# KiCad board Wireless Video Glass.kicad_pcb (continued)
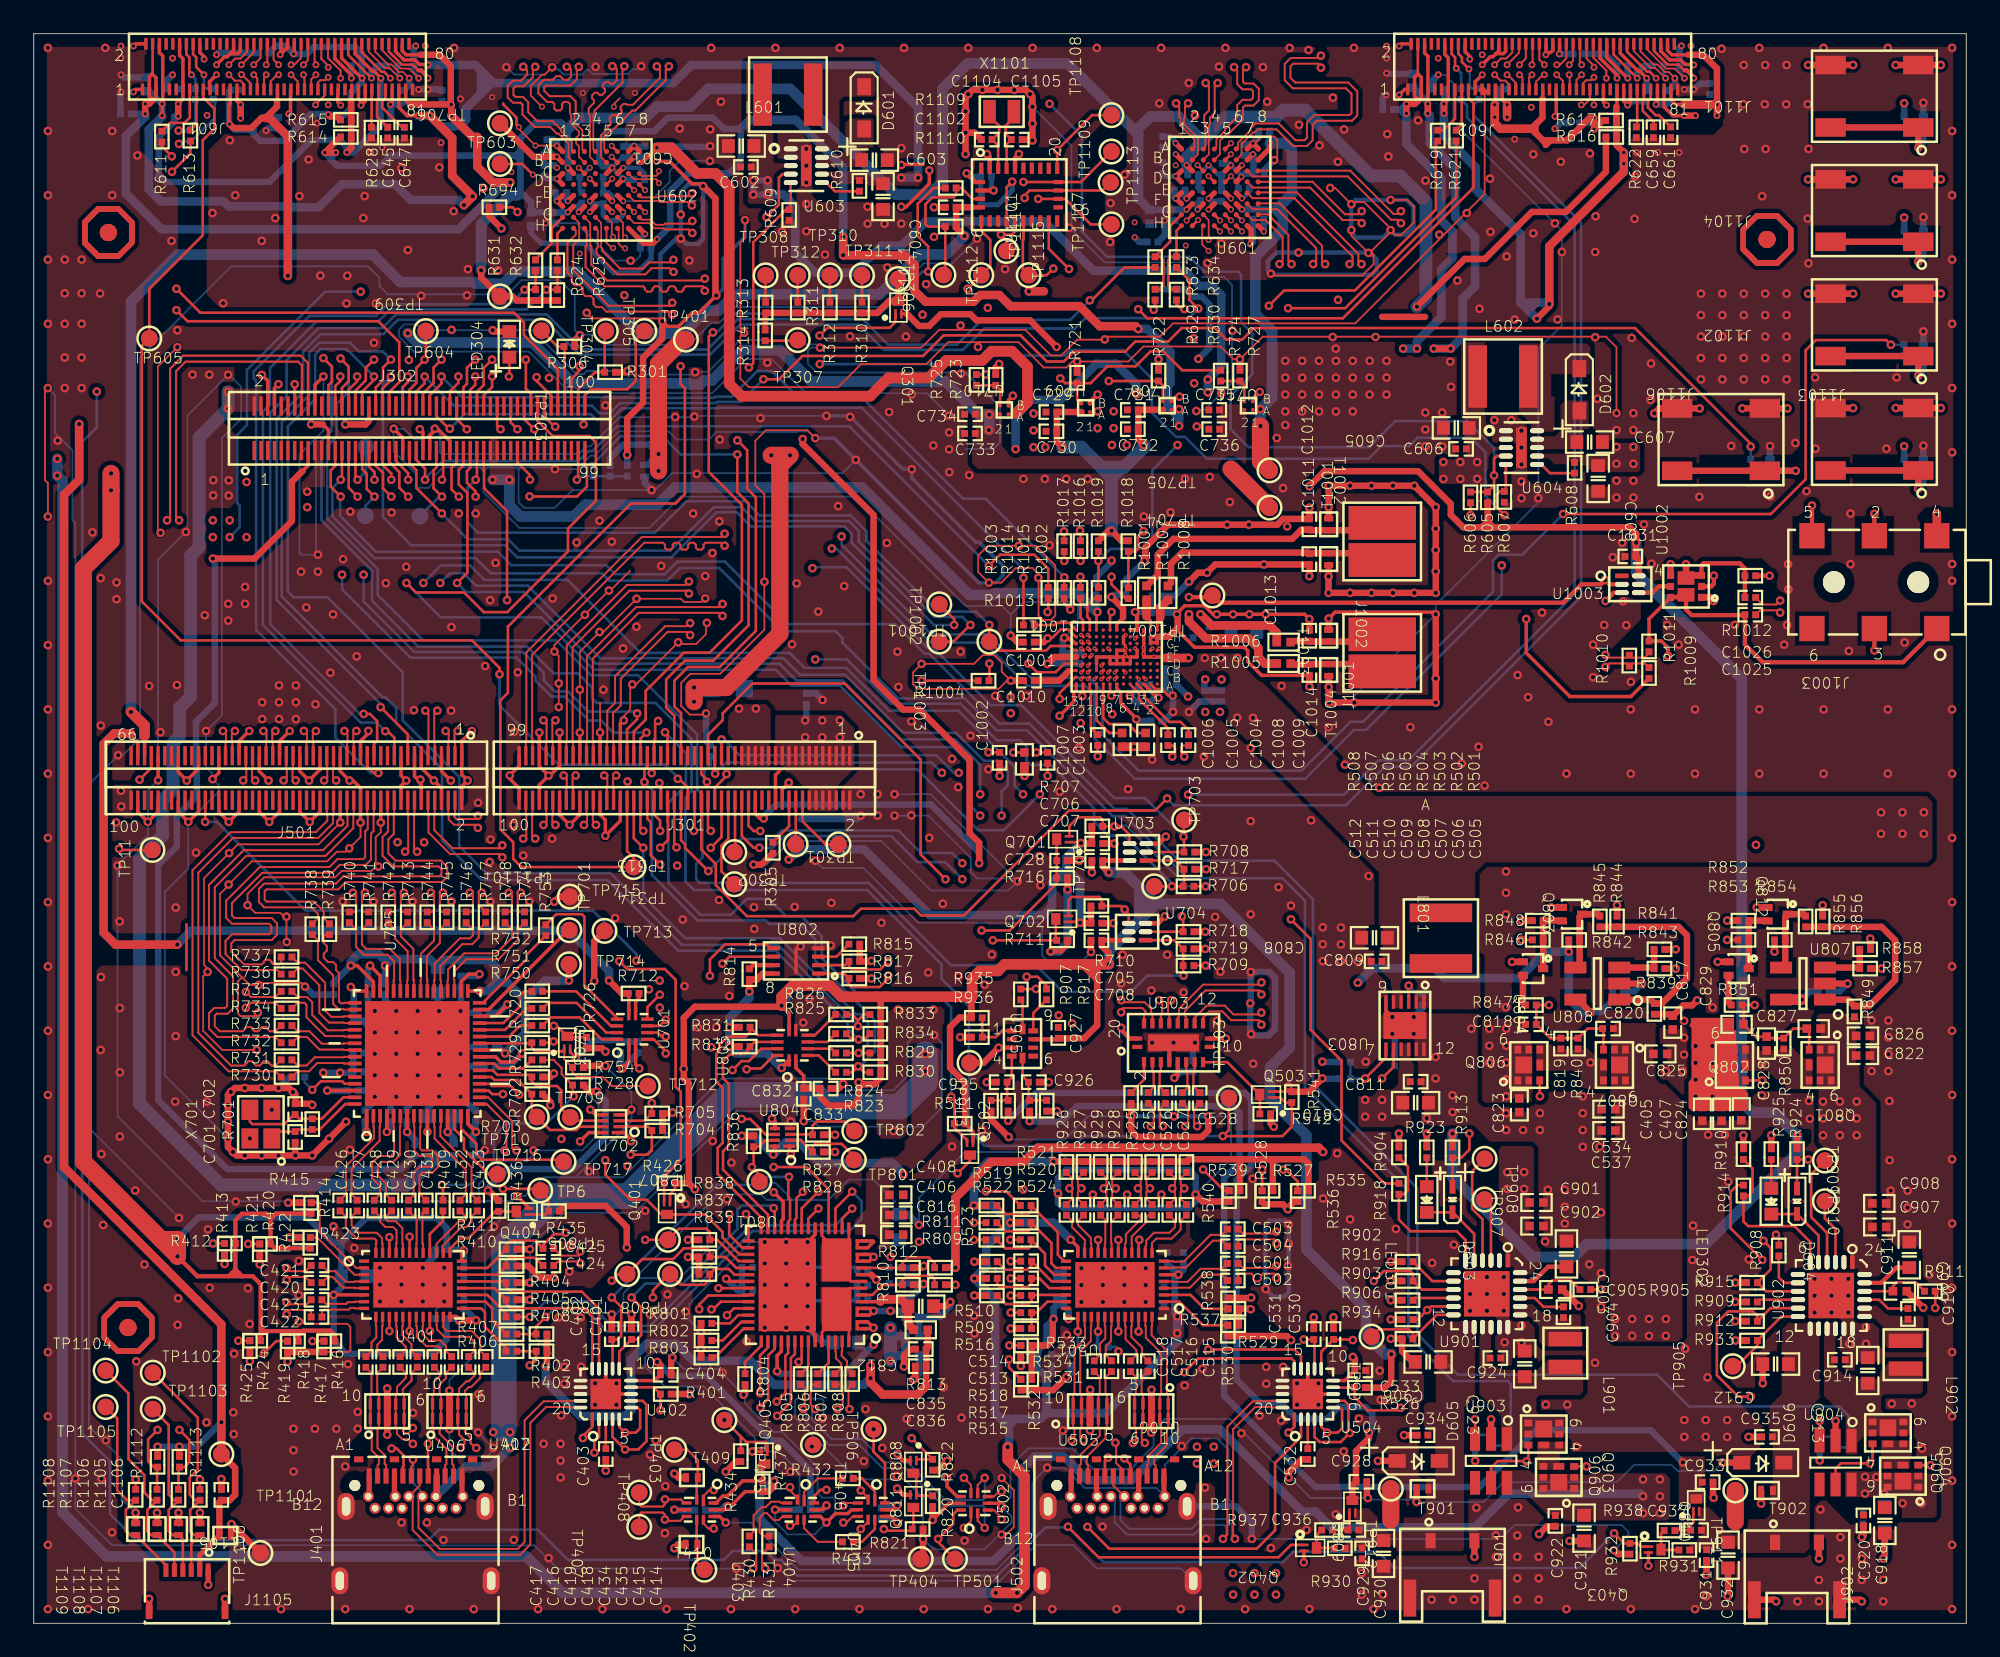
[diagram p0: board, top side]
## Routing (per net, layer and track width the routed paths; a pad name or vN(x,y) marks a point on that pad's centre or on a via; arc(x,y) is an arc through that point) (continued)
(no net): length 335.7
  TOP w0.305: 101.34,81.44 102.14,80.64 ; 101.34,81.44 101.34,82.64 ; 101.34,81.44 102.14,80.64 ; 101.34,81.44 101.34,82.64 ; 101.34,81.44 101.34,82.64 ; 101.34,81.44 101.34,82.64 ; 101.34,81.44 102.14,80.64 ; 101.34,81.44 101.34,82.64 ; 101.34,81.44 102.14,80.64 ; 101.34,81.44 101.34,82.64 ; 101.34,81.44 102.14,80.64 ; 101.34,81.44 102.14,80.64 ; 102.14,80.64 103.34,80.64 ; 102.14,80.64 103.34,80.64 ; 102.14,80.64 103.34,80.64 ; 102.14,80.64 103.34,80.64 ; 102.14,80.64 103.34,80.64 ; 102.14,80.64 103.34,80.64 ; 4.19,16.93 4.19,18.13 ; 4.19,16.93 4.99,16.13 ; 4.19,16.93 4.99,16.13 ; 4.19,16.93 4.19,18.13 ; 4.19,16.93 4.99,16.13 ; 4.19,16.93 4.99,16.13 ; 4.19,16.93 4.19,18.13 ; 4.19,16.93 4.19,18.13 ; 4.19,16.93 4.19,18.13 ; 4.19,16.93 4.19,18.13 ; 4.19,16.93 4.99,16.13 ; 4.19,16.93 4.99,16.13 ; 4.19,18.13 4.99,18.93 ; 4.19,18.13 4.99,18.93 ; 4.19,18.13 4.99,18.93 ; 4.19,18.13 4.99,18.93 ; 4.19,18.13 4.99,18.93 ; 4.19,18.13 4.99,18.93 ; 5.02,83.85 5.82,83.05 ; 5.02,83.85 3.82,83.85 ; 5.02,83.85 3.82,83.85 ; 5.02,83.85 5.82,83.05 ; 5.02,83.85 3.82,83.85 ; 5.02,83.85 3.82,83.85 ; 5.02,83.85 3.82,83.85 ; 5.02,83.85 5.82,83.05 ; 5.02,83.85 5.82,83.05 ; 5.02,83.85 5.82,83.05 ; 5.02,83.85 5.82,83.05 ; 5.02,83.85 3.82,83.85 ; 5.82,83.05 5.82,81.85 ; 5.82,83.05 5.82,81.85 ; 5.82,83.05 5.82,81.85 ; 5.82,83.05 5.82,81.85 ; 5.82,83.05 5.82,81.85 ; 5.82,83.05 5.82,81.85 ; 4.99,18.93 6.19,18.93 ; 4.99,18.93 6.19,18.93 ; 4.99,18.93 6.19,18.93 ; 4.99,18.93 6.19,18.93 ; 4.99,18.93 6.19,18.93 ; 4.99,18.93 6.19,18.93 ; 104.14,81.44 104.14,82.64 ; 104.14,81.44 104.14,82.64 ; 104.14,81.44 103.34,80.64 ; 104.14,81.44 103.34,80.64 ; 104.14,81.44 104.14,82.64 ; 104.14,81.44 103.34,80.64 ; 104.14,81.44 104.14,82.64 ; 104.14,81.44 104.14,82.64 ; 104.14,81.44 103.34,80.64 ; 104.14,81.44 104.14,82.64 ; 104.14,81.44 103.34,80.64 ; 104.14,81.44 103.34,80.64 ; 104.14,82.64 103.34,83.44 ; 104.14,82.64 103.34,83.44 ; 104.14,82.64 103.34,83.44 ; 104.14,82.64 103.34,83.44 ; 104.14,82.64 103.34,83.44 ; 104.14,82.64 103.34,83.44 ; 5.82,81.85 5.02,81.05 ; 5.82,81.85 5.02,81.05 ; 5.82,81.85 5.02,81.05 ; 5.82,81.85 5.02,81.05 ; 5.82,81.85 5.02,81.05 ; 5.82,81.85 5.02,81.05 ; 3.02,81.85 3.02,83.05 ; 3.02,81.85 3.82,81.05 ; 3.02,81.85 3.02,83.05 ; 3.02,81.85 3.02,83.05 ; 3.02,81.85 3.02,83.05 ; 3.02,81.85 3.82,81.05 ; 3.02,81.85 3.02,83.05 ; 3.02,81.85 3.82,81.05 ; 3.02,81.85 3.02,83.05 ; 3.02,81.85 3.82,81.05 ; 3.02,81.85 3.82,81.05 ; 3.02,81.85 3.82,81.05 ; 3.02,83.05 3.82,83.85 ; 3.02,83.05 3.82,83.85 ; 3.02,83.05 3.82,83.85 ; 3.02,83.05 3.82,83.85 ; 3.02,83.05 3.82,83.85 ; 3.02,83.05 3.82,83.85 ; 4.99,16.13 6.19,16.13 ; 4.99,16.13 6.19,16.13 ; 4.99,16.13 6.19,16.13 ; 4.99,16.13 6.19,16.13 ; 4.99,16.13 6.19,16.13 ; 4.99,16.13 6.19,16.13 ; 6.99,16.93 6.99,18.13 ; 6.99,16.93 6.19,16.13 ; 6.99,16.93 6.19,16.13 ; 6.99,16.93 6.99,18.13 ; 6.99,16.93 6.99,18.13 ; 6.99,16.93 6.19,16.13 ; 6.99,16.93 6.99,18.13 ; 6.99,16.93 6.99,18.13 ; 6.99,16.93 6.19,16.13 ; 6.99,16.93 6.19,16.13 ; 6.99,16.93 6.99,18.13 ; 6.99,16.93 6.19,16.13 ; 6.99,18.13 6.19,18.93 ; 6.99,18.13 6.19,18.93 ; 6.99,18.13 6.19,18.93 ; 6.99,18.13 6.19,18.93 ; 6.99,18.13 6.19,18.93 ; 6.99,18.13 6.19,18.93 ; 3.82,81.05 5.02,81.05 ; 3.82,81.05 5.02,81.05 ; 3.82,81.05 5.02,81.05 ; 3.82,81.05 5.02,81.05 ; 3.82,81.05 5.02,81.05 ; 3.82,81.05 5.02,81.05 ; 103.34,83.44 102.14,83.44 ; 103.34,83.44 102.14,83.44 ; 103.34,83.44 102.14,83.44 ; 103.34,83.44 102.14,83.44 ; 103.34,83.44 102.14,83.44 ; 103.34,83.44 102.14,83.44 ; 101.34,82.64 102.14,83.44 ; 101.34,82.64 102.14,83.44 ; 101.34,82.64 102.14,83.44 ; 101.34,82.64 102.14,83.44 ; 101.34,82.64 102.14,83.44 ; 101.34,82.64 102.14,83.44
  BOTTOM w0.305: 4.99,16.13 6.19,16.13 ; 4.99,16.13 6.19,16.13 ; 4.99,16.13 4.19,16.93 ; 4.99,16.13 4.19,16.93 ; 4.99,16.13 6.19,16.13 ; 4.99,16.13 4.19,16.93 ; 4.99,16.13 6.19,16.13 ; 4.99,16.13 4.19,16.93 ; 4.99,16.13 4.19,16.93 ; 4.99,16.13 6.19,16.13 ; 4.99,16.13 4.19,16.93 ; 4.99,16.13 6.19,16.13 ; 6.19,16.13 6.99,16.93 ; 6.19,16.13 6.99,16.93 ; 6.19,16.13 6.99,16.93 ; 6.19,16.13 6.99,16.93 ; 6.19,16.13 6.99,16.93 ; 6.19,16.13 6.99,16.93 ; 101.34,82.64 102.14,83.44 ; 101.34,82.64 101.34,81.44 ; 101.34,82.64 101.34,81.44 ; 101.34,82.64 101.34,81.44 ; 101.34,82.64 102.14,83.44 ; 101.34,82.64 102.14,83.44 ; 101.34,82.64 101.34,81.44 ; 101.34,82.64 101.34,81.44 ; 101.34,82.64 102.14,83.44 ; 101.34,82.64 101.34,81.44 ; 101.34,82.64 102.14,83.44 ; 101.34,82.64 102.14,83.44 ; 102.14,83.44 103.34,83.44 ; 102.14,83.44 103.34,83.44 ; 102.14,83.44 103.34,83.44 ; 102.14,83.44 103.34,83.44 ; 102.14,83.44 103.34,83.44 ; 102.14,83.44 103.34,83.44 ; 3.02,81.85 3.02,83.05 ; 3.02,81.85 3.82,81.05 ; 3.02,81.85 3.02,83.05 ; 3.02,81.85 3.02,83.05 ; 3.02,81.85 3.82,81.05 ; 3.02,81.85 3.82,81.05 ; 3.02,81.85 3.82,81.05 ; 3.02,81.85 3.82,81.05 ; 3.02,81.85 3.02,83.05 ; 3.02,81.85 3.02,83.05 ; 3.02,81.85 3.82,81.05 ; 3.02,81.85 3.02,83.05 ; 3.02,83.05 3.82,83.85 ; 3.02,83.05 3.82,83.85 ; 3.02,83.05 3.82,83.85 ; 3.02,83.05 3.82,83.85 ; 3.02,83.05 3.82,83.85 ; 3.02,83.05 3.82,83.85 ; 5.02,81.05 5.82,81.85 ; 5.02,81.05 3.82,81.05 ; 5.02,81.05 5.82,81.85 ; 5.02,81.05 3.82,81.05 ; 5.02,81.05 3.82,81.05 ; 5.02,81.05 3.82,81.05 ; 5.02,81.05 5.82,81.85 ; 5.02,81.05 5.82,81.85 ; 5.02,81.05 3.82,81.05 ; 5.02,81.05 5.82,81.85 ; 5.02,81.05 3.82,81.05 ; 5.02,81.05 5.82,81.85 ; 5.82,81.85 5.82,83.05 ; 5.82,81.85 5.82,83.05 ; 5.82,81.85 5.82,83.05 ; 5.82,81.85 5.82,83.05 ; 5.82,81.85 5.82,83.05 ; 5.82,81.85 5.82,83.05 ; 4.99,18.93 6.19,18.93 ; 4.99,18.93 6.19,18.93 ; 4.99,18.93 4.19,18.13 ; 4.99,18.93 4.19,18.13 ; 4.99,18.93 6.19,18.93 ; 4.99,18.93 4.19,18.13 ; 4.99,18.93 6.19,18.93 ; 4.99,18.93 6.19,18.93 ; 4.99,18.93 6.19,18.93 ; 4.99,18.93 4.19,18.13 ; 4.99,18.93 4.19,18.13 ; 4.99,18.93 4.19,18.13 ; 6.19,18.93 6.99,18.13 ; 6.19,18.93 6.99,18.13 ; 6.19,18.93 6.99,18.13 ; 6.19,18.93 6.99,18.13 ; 6.19,18.93 6.99,18.13 ; 6.19,18.93 6.99,18.13 ; 4.19,16.93 4.19,18.13 ; 4.19,16.93 4.19,18.13 ; 4.19,16.93 4.19,18.13 ; 4.19,16.93 4.19,18.13 ; 4.19,16.93 4.19,18.13 ; 4.19,16.93 4.19,18.13 ; 6.99,16.93 6.99,18.13 ; 6.99,16.93 6.99,18.13 ; 6.99,16.93 6.99,18.13 ; 6.99,16.93 6.99,18.13 ; 6.99,16.93 6.99,18.13 ; 6.99,16.93 6.99,18.13 ; 103.34,83.44 104.14,82.64 ; 103.34,83.44 104.14,82.64 ; 103.34,83.44 104.14,82.64 ; 103.34,83.44 104.14,82.64 ; 103.34,83.44 104.14,82.64 ; 103.34,83.44 104.14,82.64 ; 104.14,82.64 104.14,81.44 ; 104.14,82.64 104.14,81.44 ; 104.14,82.64 104.14,81.44 ; 104.14,82.64 104.14,81.44 ; 104.14,82.64 104.14,81.44 ; 104.14,82.64 104.14,81.44 ; 3.82,83.85 5.02,83.85 ; 3.82,83.85 5.02,83.85 ; 3.82,83.85 5.02,83.85 ; 3.82,83.85 5.02,83.85 ; 3.82,83.85 5.02,83.85 ; 3.82,83.85 5.02,83.85 ; 5.02,83.85 5.82,83.05 ; 5.02,83.85 5.82,83.05 ; 5.02,83.85 5.82,83.05 ; 5.02,83.85 5.82,83.05 ; 5.02,83.85 5.82,83.05 ; 5.02,83.85 5.82,83.05 ; 101.34,81.44 102.14,80.64 ; 101.34,81.44 102.14,80.64 ; 101.34,81.44 102.14,80.64 ; 101.34,81.44 102.14,80.64 ; 101.34,81.44 102.14,80.64 ; 101.34,81.44 102.14,80.64 ; 102.14,80.64 103.34,80.64 ; 102.14,80.64 103.34,80.64 ; 102.14,80.64 103.34,80.64 ; 102.14,80.64 103.34,80.64 ; 102.14,80.64 103.34,80.64 ; 102.14,80.64 103.34,80.64 ; 103.34,80.64 104.14,81.44 ; 103.34,80.64 104.14,81.44 ; 103.34,80.64 104.14,81.44 ; 103.34,80.64 104.14,81.44 ; 103.34,80.64 104.14,81.44 ; 103.34,80.64 104.14,81.44
546_EN: length 5.1
  TOP w0.152: Q404.3 27.57,24.41 R436.2 27.36,24.42 25.78,22.83 25.3,22.83 24.68,22.22 U401.29
4212_SEL: length 5.3
  TOP w0.152: R542.2 72.68,31.34 Q503.3 70.75,33.27 U503.9
APQ_REOUT_N: length 38.9
  TOP w0.152: J302.61 25.07,68.81 24.76,68.5 24.76,67.22 v1(25.2,66.79) ; v1(46.58,76.34) 47.04,76.8 50.74,76.8 51.08,77.14 Q301.1
  ART06 w0.122: v1(25.2,66.79) 25.67,66.32 29.71,66.32 30.25,66.86 30.25,71.75 31.41,72.92 44.69,72.92 45.59,73.81 46.61,73.81 47.16,74.37 47.16,75.75 v1(46.58,76.34)
AUXN: length 25.1
  TOP w0.152: v1(30.81,34.5) 30.73,34.42 R720.1 ; U401.27 26.89,21.07 R411.1 28,22.41 28.27,22.68 29.73,22.68 C425.1 30.19,22.42 30.83,23.07 31.35,23.07 31.44,23.15 v1(31.53,23.15)
  ART06 w0.122: v1(30.81,34.5) 29.92,33.6 29.92,31.47 28.91,30.45 28.35,30.45 26.19,28.3 26.19,27.43 26.67,26.95 28.22,26.95 29.86,25.31 29.86,24.7 31.41,23.15 v1(31.53,23.15)
BACKLIGHT_EN: length 112
  TOP w0.152: v1(85.17,65.69) 85.17,65.7 R606.2 ; v1(35.77,53.94) 35.77,53.6 35.17,53 J301.67
  ART03 w0.122: v1(87.02,62.71) 85.17,64.56 v1(85.17,65.69)
  ART06 w0.122: v1(47.31,63.71) 44.74,66.28 38.2,66.28 34.92,63.01 31.77,63.01 31.35,63.42 20.82,63.42 v1(19.56,62.16)
  BOTTOM w0.152: v1(35.77,53.94) 35.66,54.05 32.86,54.05 31.67,55.24 30.89,55.24 30.24,55.9 30.24,56.34 29,57.58 22.57,57.58 19.56,60.59 v1(19.56,62.16) ; v1(87.02,62.71) 87.02,61.01 78.97,52.96 78.26,52.96 75.36,50.06 65.28,50.06 62.86,52.48 62.86,55.04 62.33,55.57 58.9,55.57 56.34,58.14 53.16,58.14 47.59,63.71 v1(47.31,63.71)
BOOT_CONF_1P8: length 10.5
  TOP w0.305: R313.2 43.36,77.66 R314.2
  TOP w0.381: R313.2 R311.2 R312.2 R310.2 50,77.68 50.69,78.38 Q301.3 51.26,79.66 TP306.1
BOOT_CONFIG1: length 1.6
  TOP w0.152: R312.1 TP310.1
BOOT_CONFIG2: length 1.6
  TOP w0.152: R313.1 TP308.1
BOOT_CONFIG3: length 1.9
  TOP w0.152: R314.1 45.25,76.03 TP307.1
BTN_PHONE_ON_N: length 94
  TOP w0.152: v1(43.06,46.97) 42.68,46.97 42.37,47.28 J301.32
  ART03 w0.122: v1(43.06,46.97) 43.58,46.46 48.36,46.46 49.5,47.6 49.5,49.48 50.29,50.27 50.29,58.05 57.48,65.24 62.4,65.24 63.98,63.66 66.91,63.66 71.92,68.67 78.68,68.67 82.5,72.49 90.01,72.49 101.55,84.03 110.17,84.03 v1(110.87,83.34)
  BOTTOM w0.381: R1104.1 v1(110.87,83.34)
CAM0_RST_N: length 102.4
  TOP w0.152: v1(8.46,77.84) 9.11,77.19 20.42,77.19 21.67,75.95 21.67,73.58 21.07,72.99 J302.42 ; TP702.1 v1(67.47,43.69) R706.2 68.18,43.74 R717.2 67.67,45.22 U703.1
  ART06 w0.122: v1(46.32,57.14) 46.32,57.35 44.95,58.72 41.16,58.72 39.84,60.04 38.21,60.04 37.99,59.82 34.96,59.82 34.47,60.3 31.69,60.3 31.28,59.89 26.63,59.89 25.9,60.62 18.22,60.62 17.34,61.49 17.34,68.75 12.45,73.64 12.45,73.85 v1(8.46,77.84)
  BOTTOM w0.152: v1(67.47,43.69) 67.47,43.86 64.62,46.71 63.68,46.71 62.85,47.54 62.85,48.32 60.28,50.89 59.12,50.89 58.85,51.16 58.85,51.97 58.47,52.35 57.1,52.35 54.93,54.52 50.82,54.52 48.19,57.14 v1(46.32,57.14)
CAM0_STANDBY_N: length 86.5
  TOP w0.152: U704.1 67.62,40.5 R719.2 R709.2 68.13,38.43 v1(68.16,38.4) ; v1(18.19,74.98) 18.67,74.5 18.67,73.63 18.27,73.24 J302.28
  BOTTOM w0.152: v1(68.16,38.4) 66.01,38.4 65.05,37.44 60.99,37.44 59.42,39.01 54.37,39.01 49.49,43.89 39.49,43.89 39.27,44.11 39.27,45.02 39.64,45.39 39.64,49.11 39.32,49.43 39.32,52.7 35.82,56.21 33.03,56.21 30.97,58.27 23.08,58.27 20.39,60.95 20.39,62.49 17.4,65.49 17.4,69.77 17.96,70.33 17.96,72.29 18.67,73 18.67,74.5 v1(18.19,74.98)
CAM1_RST_N: length 111.4
  TOP w0.152: J302.92 31.07,74.35 29.06,76.36 29.06,77.11 28.48,77.69 9.88,77.69 v1(8.46,79.11) ; TP703.1 68.16,47.58 v1(68.16,46.63) 68.18,46.61 R708.1 U703.2
  ART06 w0.122: v1(8.46,79.11) 8.46,78.52 12.73,74.25 12.73,73.76 17.73,68.75 17.73,61.59 18.4,60.92 26.01,60.92 26.75,60.18 28.52,60.18 30.15,61.8 37.65,61.8 38.39,62.55 v1(46.16,62.55)
  BOTTOM w0.152: v1(68.16,46.63) 65.87,48.92 64.05,48.92 58.54,54.43 56.72,54.43 53.33,57.83 52.96,57.83 48.17,62.61 46.23,62.61 46.17,62.55 v1(46.16,62.55)
CAM1_STANDBY_N: length 43.5
  TOP w0.152: v1(54.04,44.11) 52.57,45.58 52.57,51.2 48.06,55.71 42.61,55.71 40.84,53.95 40.84,53.54 39.97,52.67 J301.43 ; v1(68.06,41.91) 68.13,41.83 R718.2 U704.2
  ART03 w0.152: v1(54.04,44.11) 55.01,43.14 58.47,43.14 59.07,42.55 62.48,42.55 63.04,43.1 65.13,43.1 65.74,42.49 67.51,42.49 68.06,41.95 v1(68.06,41.91)
CCI_I2C_SCL0: length 128.6
  TOP w0.152: J501.27 20.17,52.13 20.36,52.31 20.36,53.48 19.93,53.91 v1(19.56,53.91) ; U702.2 36.41,29.44 R704.1 36.64,28.03 36.38,27.78 v1(35.38,27.78) ; R633.2 64.65,80.38 62.71,78.43 v1(62.6,78.43)
  ART03 w0.122: v1(35.38,27.78) 33.98,29.18 28.29,29.18 26.79,30.68 26.79,34.26 29.97,37.43 29.97,43.41 28.24,45.13 28.24,46.35 27.11,47.49 27.11,49.32 24.72,51.71 24.21,51.71 22.69,53.23 21.81,53.23 21.44,53.6 20.29,53.6 19.98,53.91 v1(19.56,53.91)
  BOTTOM w0.152: v1(19.56,53.91) 19.34,53.91 14.02,59.24 14.02,71.76 14.99,72.73 14.99,74.88 16.89,76.78 20.66,76.78 21.47,77.59 30.41,77.59 32.49,75.51 39.94,75.51 41.74,77.31 49.13,77.31 50.65,75.8 54.72,75.8 56.19,77.27 61.44,77.27 v1(62.6,78.43)
CCI_I2C_SDA0: length 131.7
  TOP w0.152: v1(20.56,54.31) 22.17,52.7 J501.17 ; v1(69.03,77.93) 68.5,78.46 68.5,79.61 R634.2 ; U702.3 36.2,29.79 R705.1 v1(36.64,30.84)
  ART03 w0.122: v1(20.56,54.31) 20.97,53.9 21.65,53.9 22.03,53.52 22.84,53.52 24.3,52.06 24.8,52.06 27.38,49.48 27.38,47.62 28.52,46.48 28.52,45.3 30.3,43.53 30.3,37.28 27.1,34.09 27.1,30.88 28.52,29.46 35.93,29.46 36.64,30.17 v1(36.64,30.84)
  BOTTOM w0.152: v1(20.56,54.31) 20.56,54.49 14.4,60.66 14.4,71.41 15.98,72.99 15.98,75.4 17,76.42 20.74,76.42 21.59,77.28 30.29,77.28 32.36,75.21 40.09,75.21 41.87,76.99 48.89,76.99 50.39,75.49 55.08,75.49 56.34,76.76 61.72,76.76 62.34,77.38 68.47,77.38 v1(69.03,77.93)
CDC_MCLK: length 45.4
  TOP w0.152: v1(56.62,62.69) 57.28,63.35 59.31,63.35 60.14,62.52 R1003.1 ; v1(23.2,67.79) 23.2,68.45 22.67,68.97 J302.49
  BOTTOM w0.152: v1(56.62,62.69) 48.34,70.96 34.59,70.96 33.12,69.49 32.88,69.49 32.3,68.91 24.24,68.91 23.2,67.86 v1(23.2,67.79)
CHG_PWR: length 18.5
  TOP w0.381: v1(98.6,36.93) 98.3,36.63 97.79,36.63 97.18,36.02 C817.2 97.07,36.1 R839.2 ; R925.1 v1(103,28.93) ; R923.1 v1(82.58,29.03)
  ART03 w0.381: v1(103,28.93) 100.54,31.39 100.54,34.56 98.6,36.5 v1(98.6,36.93)
  ART06 w0.381: 86.23,27.97 83.64,27.97 v1(82.58,29.03)
  vias: v1(86.28,35.24) v1(86.28,34.24) v1(86.28,33.24) v1(87.28,35.24) v1(87.28,34.24) v1(87.28,33.24) v1(87.28,32.24) v1(87.28,31.24) v1(87.35,26.75) v1(87.35,25.75) v1(88.35,26.75) v1(88.35,25.75) v1(106.06,30.93) v1(106.06,29.93) v1(106.06,28.93) v1(107.06,30.93) v1(107.06,29.93) v1(107.06,28.93) v1(108.06,30.93) v1(108.06,29.93) v1(108.06,28.93)
CODEC_DATA: length 44
  TOP w0.152: R1017.2 61.08,64.72 v1(61.07,64.73) ; v1(37.11,37.26) 36.38,36.53 U701.6
  ART03 w0.122: v1(61.07,64.73) 57.46,64.73 50.6,57.86 50.6,49.53 50.5,49.43 50.5,47.62 47.26,44.39 46.33,44.39 44.87,42.93 42.01,42.93 38.2,39.12 38.2,38.35 v1(37.11,37.26)
CODEC_INT1_N: length 52.7
  TOP w0.152: v1(24.19,65.8) 22.68,67.31 22.68,68.35 22.27,68.76 J302.47 ; v1(55.52,59.18) 55.5,59.18 54.52,58.2 TP1003.1
  TOP w0.203: U1001.F11 62.6,57.69 v2(62.49,57.8)
  GND02 w0.102: v2(62.49,57.8) 62.49,57.8 62.77,58.08 62.87,58.08 v3(63.04,58.25)
  ART03 w0.122: v3(63.04,58.25) 61.98,59.31 58.64,59.31 58.12,59.84 56.18,59.84 v1(55.52,59.18)
  BOTTOM w0.152: v1(55.52,59.18) 55.04,59.66 53.37,59.66 48.9,64.13 48.9,64.78 48.33,65.34 42.78,65.34 41.96,66.17 40.31,66.17 37.73,63.59 28.79,63.59 28.11,64.27 25.72,64.27 v1(24.19,65.8)
CODEC_LDOENA: length 46.4
  TOP w0.152: U1001.F13 61.79,57.69 61.63,57.69 61.39,57.94 60.28,57.94 60,57.66 57.19,57.66 TP1001.1 56.65,59.18 v1(56.65,59.18) ; v1(26.2,67.79) 26.27,67.87 J302.67
  BOTTOM w0.152: v1(56.65,59.18) 55.86,59.97 53.57,59.97 49.36,64.18 49.36,64.74 48.43,65.67 43.03,65.67 42.19,66.51 38.67,66.51 36.81,64.65 26.33,64.65 25.71,65.27 25.71,67.31 v1(26.2,67.79)
CODEC_MCLK: length 33.2
  TOP w0.152: v1(52.63,55.88) R1004.1 ; U701.5 37.1,35.42 v1(37.46,35.78)
  ART03 w0.122: v1(52.63,55.88) 51.52,54.77 51.52,47.53 47.56,43.57 47.08,43.57 45.47,41.96 42.08,41.96 39.06,38.93 39.06,37.38 v1(37.46,35.78)
CODEC_RESET_N: length 64.1
  TOP w0.152: v2(63.29,56.77) 63.4,56.88 U1001.D9 ; v1(21.17,73.91) 21.17,73.7 20.67,73.2 J302.40 ; TP1002.1 54.56,59.53 v1(54.56,59.18)
  GND02 w0.152: v2(63.29,56.77) 63.29,57.26 v3(63.32,57.3)
  ART03 w0.122: v1(54.56,59.18) 55.47,58.27 55.47,56.36 56.01,55.83 57.05,55.83 57.58,56.36 58.65,56.36 59,56.01 61.23,56.01 62.67,57.45 63.17,57.45 v3(63.32,57.3)
  BOTTOM w0.152: v1(54.56,59.18) 53.36,59.18 48.48,64.06 48.48,64.6 48.05,65.03 42.51,65.03 41.68,65.86 40.46,65.86 37.8,63.2 28.65,63.2 27.93,63.91 22.37,63.91 20.7,65.58 20.7,73.44 v1(21.17,73.91)
CODEC_SCL: length 56.7
  TOP w0.152: R1002.1 63.12,62.97 v1(63.1,62.98) 63.12,63 R1019.2 ; v1(37.13,46.97) 37.13,47.58 36.77,47.94 J301.60
  ART03 w0.122: v1(37.13,46.97) 39.1,48.95 41,48.95 43.69,51.64 43.69,54.75 45.29,56.35 46.61,56.35 48.05,57.79 48.05,58.93 56.16,67.05 65,67.05 v1(67.8,69.85)
  BOTTOM w0.152: v1(63.1,62.98) 63.81,63.69 65.74,63.69 66.31,64.27 66.31,68.36 v1(67.8,69.85)
CODEC_SCLK: length 44.8
  TOP w0.152: v1(62.04,62.04) 62.05,62.03 R1015.2 ; U701.4 36.99,35.02 37.23,34.78 v1(37.46,34.78)
  ART03 w0.122: v1(37.46,34.78) 37.63,34.78 39.85,37.01 39.85,37.22 41.57,38.94 42.97,38.94 45.09,41.06 46.25,41.06 46.75,41.56 47.6,41.56 51.33,45.29 51.33,46.29 52.6,47.56 52.6,53.23 53.64,54.28 53.64,59.51 55.35,61.21 61.22,61.21 v1(62.04,62.04)
CODEC_SDA: length 50.3
  TOP w0.152: R1001.1 64.89,62.98 64.88,62.98 64.89,62.99 R1018.2 65.3,63.54 65.46,63.69 65.46,64.41 v1(65.79,64.74) ; v1(37.13,44.97) 36.58,45.53 36.58,47.5 36.37,47.7 J301.62
  ART03 w0.122: v1(65.79,64.74) 64.71,65.82 57.01,65.82 49.66,58.47 49.66,51.38 46.86,48.59 42.82,48.59 41.43,47.19 41.41,47.19 40.69,46.47 38.75,46.47 38.57,46.29 38.57,45.81 38.21,45.45 37.6,45.45 v1(37.13,44.97)
CODEC_WS: length 49.3
  TOP w0.152: v1(37.46,33.78) 37.46,33.91 36.76,34.62 U701.3 ; R1016.2 62.05,64.74 v1(62.02,64.77)
  ART03 w0.122: v1(62.02,64.77) 62.02,63.84 62.61,63.25 62.61,61.93 61.52,60.83 55.42,60.83 53.97,59.39 53.97,54.03 52.95,53 52.95,47.34 51.68,46.07 51.68,45.12 47.77,41.2 46.84,41.2 46.39,40.75 45.22,40.75 43.05,38.59 41.74,38.59 40.31,37.16 40.31,36.95 37.46,34.1 v1(37.46,33.78)
CTRL: length 78.6
  TOP w0.152: v1(43.44,83.37) 44.17,84.1 44.17,85.7 44.38,85.91 U603.4 ; R606.1 R605.1 86.56,67.45 v1(86.56,68.05) 86.56,69.05 86.72,69.2 U604.4
  ART03 w0.122: v1(43.44,83.37) 44.22,83.37 45.03,84.18 45.03,87.97 48.98,91.91 58.64,91.91 60.22,90.33 v1(60.22,90.08)
  BOTTOM w0.152: v1(60.22,90.08) 62.13,88.17 62.13,82.5 63.62,81.01 68.5,81.01 69.38,80.13 71.38,80.13 71.57,79.95 71.57,77.13 72.23,76.46 72.23,74.05 70.94,72.76 70.94,70.79 72.01,69.72 79.16,69.72 80.71,71.27 84.96,71.27 86.56,69.67 v1(86.56,68.05)
DP_D0+: length 5.8
  TOP w0.114: U705.2 20.13,29.45 20.16,29.42 20.16,28.75 18.5,27.09 18.5,25.42 C426.2
DP_D0-: length 5.8
  TOP w0.114: U705.3 20.53,29.45 20.5,29.42 20.5,28.61 18.84,26.94 18.84,25.42 C427.2
DP_D1+: length 6.3
  TOP w0.114: C428.2 20.53,25.42 20.53,25.93 20.05,26.4 20.05,27.29 20.46,27.7 21.17,27.7 21.36,27.89 21.36,29.42 21.33,29.45 U705.5
DP_D1-: length 6.3
  TOP w0.114: C429.2 20.87,25.42 20.87,26.07 20.4,26.55 20.4,27.15 20.6,27.36 21.31,27.36 21.7,27.75 21.7,29.42 21.73,29.45 U705.6
DP_D2+: length 6.7
  TOP w0.114: U705.8 22.53,29.45 22.56,29.42 22.56,28.01 22.88,27.69 23.49,27.69 23.61,27.58 23.61,27.18 23.49,27.07 22.88,27.07 22.52,26.71 22.52,25.38 C430.2
DP_D2-: length 6.8
  TOP w0.114: U705.9 22.93,29.45 22.9,29.42 22.9,28.15 23.02,28.03 23.64,28.03 23.95,27.72 23.95,27.04 23.64,26.73 23.02,26.73 22.86,26.57 22.86,25.47 C431.2
DP_D3+: length 5.9
  TOP w0.114: C432.2 25.61,25.42 25.61,26.89 23.76,28.74 23.76,29.42 23.73,29.45 U705.11
DP_D3-: length 5.9
  TOP w0.114: U705.12 24.13,29.45 24.1,29.42 24.1,28.88 25.95,27.03 25.95,25.42 C433.2
DPEQ0/A1: length 12.7
  TOP w0.152: U501.14 v1(64.29,22.73) ; R527.2 v1(72.81,26.9)
  ART03 w0.122: v1(72.81,26.9) 72.81,26.15 69.9,23.24 64.8,23.24 v1(64.29,22.73)
DPEQ1: length 4.4
  TOP w0.152: R530.1 69.31,17.67 67.91,19.07 U501.2
DRAIN1: length 3
  TOP w0.152: U801.8 48.43,20.27 48.12,20.57 ; 47.12,22.57 46.72,22.97 U801.19 ; 48.12,22.57 48.32,22.78 U801.15
DRAIN2: length 3.2
  TOP w0.152: U801.56 48.32,17.45 48.12,17.65 ; U801.7 48.33,19.87 48.12,19.65 ; 47.12,17.65 46.72,17.25 U801.52
EQ0: length 10.7
  TOP w0.152: R532.1 57.81,15.17 v1(57.81,15.65) ; v1(65.49,17.3) U501.38
  ART03 w0.122: v1(57.81,15.65) 58.39,16.23 63.62,16.23 64.18,16.79 64.98,16.79 v1(65.49,17.3)
EQ1: length 8.4
  TOP w0.152: v1(64.29,17.3) U501.35 ; v1(57.83,16.47) R533.2
  ART03 w0.122: v1(57.83,16.47) 57.89,16.54 63.53,16.54 v1(64.29,17.3)
FAST_BOOT_0: length 5.3
  TOP w0.152: J302.94 31.47,75.65 R306.1 31.04,75.69 TP303.1
FORCED_USB_BOOT: length 7.2
  TOP w0.152: J302.100 32.67,72.8 33.02,73.15 35.18,73.15 35.69,73.66 35.69,76.1 TP305.1
FORCED_USB_BOOT1: length 1.6
  TOP w0.152: R310.1 TP311.1
GPIO5: length 11.9
  TOP w0.114: Q703.1 31.45,33.43 R754.1 31.94,32.65 32.21,32.38 33.73,32.38 34.26,31.85 TP712.1
  TOP w0.152: U705.26 29.49,34.38 R720.2 29.52,34.1 29.72,33.91 31.31,33.91 Q703.1
GPIO5_CPU: length 26.1
  TOP w0.152: R726.2 31.68,34.74 Q703.3 31,35.42 v1(30.84,35.42) ; v1(37.01,53.49) 36.84,53.32 36.84,52.43 36.77,52.37 J301.59
  ART03 w0.122: v1(30.84,35.42) 30.84,38.64 32.99,40.79 34.37,40.79 36,42.42 36,45.43 35.66,45.77 35.66,48.42 35.73,48.48 35.73,50.54 36.94,51.74 36.94,53.42 v1(37.01,53.49)
GPIO14: length 2.9
  TOP w0.152: U801.42 42.08,17.47 40.36,15.75 R803.2
GPIO15: length 2.3
  TOP w0.152: R804.2 42.16,15.49 43.12,16.45 U801.43
GPIO76_BACK_KEY: length 89.2
  TOP w0.152: v1(43.25,73.75) 44.19,73.75 45.57,75.13 52.72,75.13 53.93,76.35 58.5,76.35 60.05,74.8 61.06,74.8 61.64,75.38 64.69,75.38 65.3,75.99 67.25,75.99 68.05,76.78 70.01,76.78 70.69,76.1 71.64,76.1 72.32,76.78 94.92,76.78 101.78,69.93 v1(101.78,69.76) ; J302.50 22.67,73.01 23.17,73.51 v1(23.17,73.91)
  BOTTOM w0.152: v1(23.17,73.91) 24.89,72.19 33.08,72.19 33.55,71.72 34.12,71.72 34.74,72.33 40.45,72.33 40.52,72.41 41.91,72.41 v1(43.25,73.75) ; R1111.1 v1(101.78,69.76)
GPIO77_BOOT_UP: length 214.5
  TOP w0.152: J302.52 23.07,72.9 23.7,73.53 23.7,74.44 v1(24.17,74.91) ; v1(93.68,5.33) 94.27,4.74 R932.1 95.06,4.74 95.25,4.54 Q403.1 ; v1(61.31,5.72) 63.11,3.91 73.79,3.91 74.52,4.65 Q402.1
  ART03 w0.122: v1(24.17,74.91) 24.17,78.23 20.95,81.45 7.79,81.45 3.74,77.4 v1(3.74,73.02)
  BOTTOM w0.152: v1(3.74,73.02) 3.74,70.9 2.87,70.03 2.87,11.25 4.52,9.6 4.52,6.48 6.07,4.93 23.4,4.93 24.03,5.55 29.88,5.55 31.68,3.75 40.9,3.75 41.43,4.28 43.38,4.28 43.91,3.75 44.31,3.75 45.23,2.83 57.12,2.83 59.97,5.68 61.26,5.68 v1(61.31,5.72) 63.39,3.63 74.04,3.63 74.65,4.24 79.68,4.24 80.64,3.28 91.62,3.28 v1(93.68,5.33)
GPSWN: length 49.3
  TOP w0.114: R1011.2 95.75,57.51 95.49,57.25 94.73,57.25 R1010.1 94.43,57.25 93.33,57.25 v1(93.17,57.4) ; v2(62.49,56.77) 62.59,56.88 U1001.D11
  GND02 w0.102: v2(62.49,56.77) 62.21,57.05 61.94,57.05 61.31,56.42
  GND02 w0.152: v1(57.91,54.91) 58.3,54.52 59.41,54.52 61.31,56.42
  ART03 w0.114: v1(57.91,54.91) 57.91,54.72 58.03,54.6 58.45,54.6 59.7,53.35 59.7,53.13 62.4,50.43 85.2,50.43 91.99,57.22 92.98,57.22 v1(93.17,57.4)
GPSWP: length 48.6
  TOP w0.114: v1(93.17,56.69) 93.38,56.9 94.43,56.9 R1010.2 94.73,56.9 95.5,56.9 R1009.1 ; U1001.D12 62.19,56.88 v2(62.08,56.77)
  GND02 w0.102: 61.55,56.23 v2(62.08,56.77)
  GND02 w0.152: 61.55,56.23 59.43,54.12 58.08,54.12 v1(57.91,53.95)
  ART03 w0.114: v1(57.91,53.95) 57.91,54.15 58.03,54.26 58.31,54.26 59.36,53.21 59.36,52.98 62.26,50.09 85.34,50.09 92.13,56.88 92.98,56.88 v1(93.17,56.69)
GYRO_INT: length 76.9
  TOP w0.152: v1(38.34,74.52) 38.34,73.47 38.6,73.21 38.6,66.94 38.04,66.38 35.4,66.38 28.11,59.09 28.11,55.16 27.66,54.71 27.66,47.07 28.42,46.3 28.42,45.31 28.91,44.83 TP1110.1 35.56,45.39 35.17,45.78 J301.68 ; v1(61.37,80.29) 60.17,81.49 U1101.14
  ART06 w0.122: v1(61.37,80.29) 61.37,80.04 58.52,77.19 55.91,77.19 55.07,76.35 52.33,76.35 51.32,77.36 46.77,77.36 44.74,75.34 44.56,75.34 44.55,75.33 39.15,75.33 v1(38.34,74.52)
HDMI_DDC_CLOCK: length 29.7
  TOP w0.152: v1(36.2,49.88) 36.2,50.61 36.37,50.78 J301.61 ; R823.1 48.51,32.66 v1(48.87,33.02) 49.23,32.66 R830.1
  BOTTOM w0.152: v1(48.87,33.02) 48.98,33.02 49.87,33.9 49.87,35.74 46.32,39.29 46.32,40.55 45.42,41.46 43.61,41.46 43.4,41.67 39.34,41.67 36.65,44.36 36.65,49.43 v1(36.2,49.88)
HDMI_DDC_DATA: length 25.8
  TOP w0.152: R829.1 v1(48.89,33.81) R824.1 ; J301.66 35.57,46.54 v1(36.13,45.97)
  BOTTOM w0.152: v1(36.13,45.97) 36.13,43.1 38.61,40.61 44.22,40.61 48.73,36.11 49.05,36.11 49.44,35.72 49.44,34.36 v1(48.89,33.81)
HDMI_HOT_PLUG_DETECT: length 41.1
  TOP w0.152: v1(54.38,31.22) 54.57,31.03 R511.2 54.57,29.38 55.32,28.63 Q502.2 ; J301.55 37.57,52.67 v1(37.42,52.82)
  BOTTOM w0.152: v1(37.42,52.82) 38.66,51.58 38.66,49.67 37.62,48.63 37.62,43.9 39.51,42.01 41.32,42.01 42.27,42.95 43.57,42.95 44.61,41.9 45.53,41.9 46.72,40.72 46.72,39.43 49.06,37.09 53.79,37.09 54.38,36.5 v1(54.38,31.22)
HDMI_TCLK_N: length 66.8
  TOP w0.114: v1(27.77,46.12) 27.6,45.95 24.82,45.95 23.74,47.03 23.74,47.96 23.77,47.99 J501.10 ; C507.1 65.96,25.17 65.96,25.57 v1(66.17,25.78) 65.96,25.99 65.96,26.39 R503.2
  ART06 w0.114: v1(66.17,25.78) 65.98,25.6 65.98,24.73 64.82,23.57 59.63,23.57 55.38,27.82 55.38,34.98 51.43,38.93 51.43,39.56 50.33,40.67 44.42,40.67 44.08,40.33 34.73,40.33 30.97,44.09 26.42,44.09 26.05,44.46 26.05,45.63 26.36,45.95 27.6,45.95 v1(27.77,46.12)